# KiCad board module-environment.kicad_pcb
title: Environment Module; date: <<release-date>>; rev: <<tag>>; note: <<hash>>
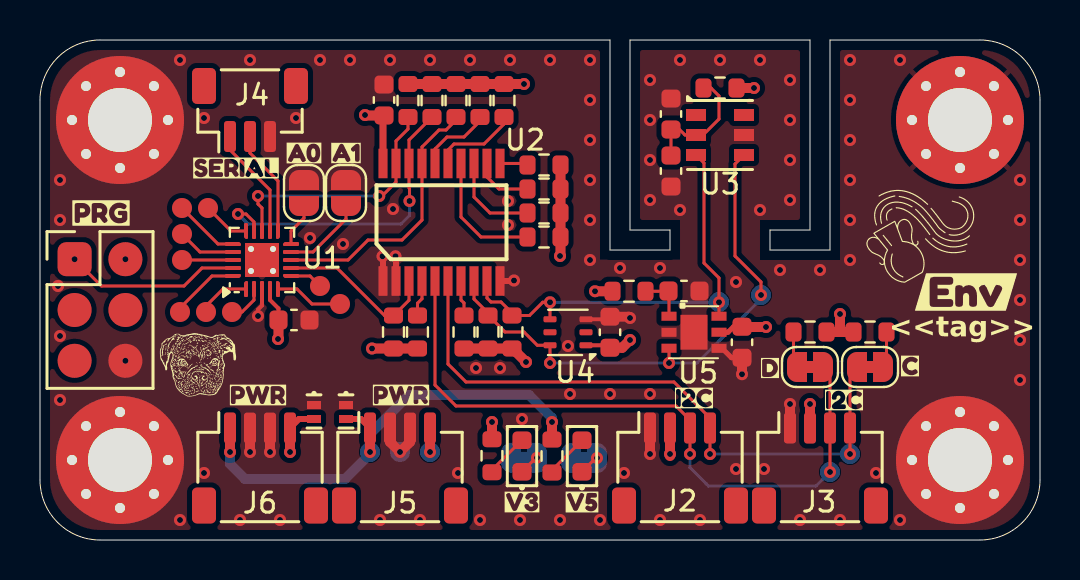
[diagram p0: board, top side]
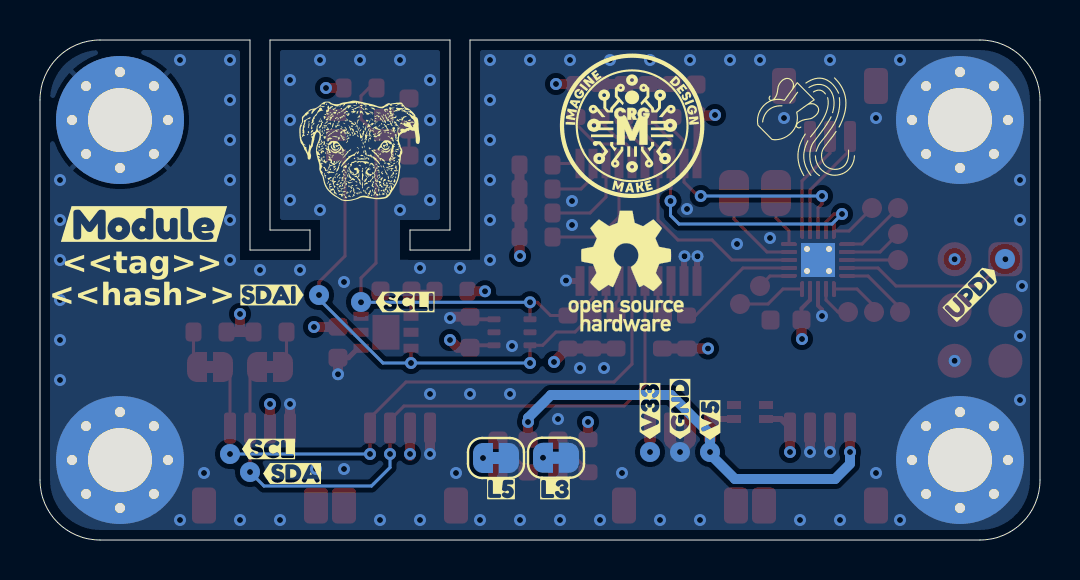
[diagram p1: board, bottom side, seen from below]

Outline 50 x 25 mm; copper layers: Top, In1.Cu (plane), In2.Cu (plane), Bottom. Coordinates in mm from the lower left corner of the outline.
Outline path: 0,22 0,3 arc(0.88,0.88) 3,0 47,0 arc(49.12,0.88) 50,3 50,22 arc(49.12,24.12) 47,25 39.5,25 39.5,14.5 36.5,14.5 36.5,15.5 38.5,15.5 38.5,25 29.5,25 29.5,15.5 31.5,15.5 31.5,14.5 28.5,14.5 28.5,25 3,25 arc(0.88,24.12) 0,22
Stack: Top 0.07mm / dielectric 0.2mm FR4 er 4.5 / In1.Cu 0.035mm / dielectric 1.075mm FR4 er 4.5 / In2.Cu 0.035mm / dielectric 0.2mm FR4 er 4.5 / Bottom 0.07mm

## Placement (name value [footprint] x y rotation side)
C1  0.1uF  [C_0603_1608Metric]  12.7 11 0 top
C2  0.1uF  [C_0603_1608Metric]  31.55 18.45 270 top
C3  0.1uF  [C_0603_1608Metric]  28.5 10.39 90 top
C4  1uF  [C_0603_1608Metric]  32.2 12.45 0 top
C5  1uF  [C_0603_1608Metric]  35.1 9.89 270 top
C6  0.1uF  [C_0603_1608Metric]  17.2 22 90 top
C7  10uF  [C_0603_1608Metric]  31.55 21.3 90 top
D1  PESD5V5C1BL  [DFN1006-2]  15.3 6.4 270 top
D2  PESD3V3S1BL  [DFN1006-2]  13.7 6.4 270 top
D3  Orange  [LED_0603_1608Metric]  27.1 4.2 90 top
D4  Orange  [LED_0603_1608Metric]  24.1 4.2 90 top
H1  ~  [MountingHole_3.2mm_M3_Pad_Via]  4 4 0 top
H2  ~  [MountingHole_3.2mm_M3_Pad_Via]  46 4 0 top
H3  ~  [MountingHole_3.2mm_M3_Pad_Via]  46 21 0 top
H4  ~  [MountingHole_3.2mm_M3_Pad_Via]  4 21 0 top
J1  AVR-UPDI-6  [PinHeader_2x03_P2.54mm_Vertical_SMD]  1.73 14.04 0 top  (not fitted)
J2  ~  [JST_SH_SM04B-SRSS-TB_1x04-1MP_P1.00mm_Horizontal]  32 3.6 0 top
J3  ~  [JST_SH_SM04B-SRSS-TB_1x04-1MP_P1.00mm_Horizontal]  39 3.6 0 top
J4  ~  [JST_SH_BM03B-SRSS-TB_1x03-1MP_P1.00mm_Vertical]  10.5 21.5 0 top  (not fitted)
J5  ~  [JST_SH_SM04B-SRSS-TB_1x04-1MP_P1.00mm_Horizontal]  18 3.6 0 top
J6  ~  [JST_SH_SM04B-SRSS-TB_1x04-1MP_P1.00mm_Horizontal]  11 3.6 0 top
JP1  ~  [SolderJumper-2_P1.3mm_Open_RoundedPad1.0x1.5mm]  13.2 17.35 270 top
JP2  ~  [SolderJumper-2_P1.3mm_Open_RoundedPad1.0x1.5mm]  15.3 17.35 270 top
JP3  ~  [SolderJumper-2_P1.3mm_Bridged_RoundedPad1.0x1.5mm]  41.5 8.65 0 top
JP4  ~  [SolderJumper-2_P1.3mm_Bridged_RoundedPad1.0x1.5mm]  38.5 8.65 180 top
JP5  ~  [SolderJumper-2_P1.3mm_Bridged_RoundedPad1.0x1.5mm]  27.2 4.1 0 bottom
JP6  ~  [SolderJumper-2_P1.3mm_Bridged_RoundedPad1.0x1.5mm]  24.2 4.11 0 bottom
kibuzzard-68C1F3DD  G***  [kibuzzard-68C1F3DD]  10.9 7.25 0 top
kibuzzard-68C1F3DD#2  G***  [kibuzzard-68C1F3DD]  18.05 7.25 0 top
kibuzzard-68F7E448  G***  [kibuzzard-68F7E448]  27.1 1.9 0 top
kibuzzard-68F7F6D5  G***  [kibuzzard-68F7F6D5]  36.5 8.6 0 top
kibuzzard-68F7F6E1  G***  [kibuzzard-68F7F6E1]  43.5 8.7 0 top
kibuzzard-68FAFCDC  G***  [kibuzzard-68FAFCDC]  40.2 7 0 top
kibuzzard-68FAFCDC#2  G***  [kibuzzard-68FAFCDC]  32.7 7.1 0 top
kibuzzard-68FAFD00  G***  [kibuzzard-68FAFD00]  24.1 1.9 0 top
kibuzzard-68FAFDB2  G***  [kibuzzard-68FAFDB2]  13.2 19.35 0 top
kibuzzard-68FAFDB8  G***  [kibuzzard-68FAFDB8]  15.3 19.35 0 top
kibuzzard-68FC4AB7  G***  [kibuzzard-68FC4AB7]  44.8 15.8 180 bottom
kibuzzard-68FC4AED  G***  [kibuzzard-68FC4AED]  9.8 18.6 0 top
kibuzzard-68FC4BF9  G***  [kibuzzard-68FC4BF9]  38.58 4.55 180 bottom
kibuzzard-68FC4C02  G***  [kibuzzard-68FC4C02]  37.4 3.32 180 bottom
kibuzzard-68FC4C30  G***  [kibuzzard-68FC4C30]  18 6.55 90 bottom
kibuzzard-68FC4C43  G***  [kibuzzard-68FC4C43]  19.5 6.45 90 bottom
kibuzzard-68FC4C50  G***  [kibuzzard-68FC4C50]  16.5 6 90 bottom
kibuzzard-68FC4C70  G***  [kibuzzard-68FC4C70]  3.4 12.38 135 bottom
kibuzzard-6902B41D  G***  [kibuzzard-6902B41D]  3.05 16.35 0 top
kibuzzard-6902BBC2  G***  [kibuzzard-6902BBC2]  38.4 12.25 180 bottom
kibuzzard-6902BBCC  G***  [kibuzzard-6902BBCC]  31.75 11.9 180 bottom
kibuzzard-6908DD8D  G***  [kibuzzard-6908DD8D]  26.95 2.55 180 bottom
kibuzzard-6908DD87  G***  [kibuzzard-6908DD87]  24.25 2.55 180 bottom
kibuzzard-69029C60  G***  [kibuzzard-69029C60]  46.3 12.4 0 top
LOGO1  ~  [Aquarius Logo 5mm]  11.7 20.7 180 bottom
LOGO2  ~  [Aquarius Logo 5mm]  43.9 15.2 75 top
LOGO3  ~  [CRGM Logo 7mm]  20.4 20.75 180 bottom
LOGO4  ~  [Roxy 6.5mm]  34 19.45 180 bottom
LOGO5  ~  [Roxy 3.5mm]  7.9 8.8 0 top
LOGO6  ~  [OSHW-Logo_5.7x6mm_SilkScreen]  20.7 13.45 180 bottom
R1  4.7K  [R_0603_1608Metric]  21.2 10.4 270 top
R2  4.7K  [R_0603_1608Metric]  41.5 10.4 180 top
R3  4.7K  [R_0603_1608Metric]  38.5 10.4 0 top
R4  4.7K  [R_0603_1608Metric]  18.88 10.4 270 top
R5  4.7K  [R_0603_1608Metric]  17.67 10.4 270 top
R6  4.7K  [R_0603_1608Metric]  25.2 18.75 0 top
R7  4.7K  [R_0603_1608Metric]  25.2 17.55 0 top
R8  4.7K  [R_0603_1608Metric]  25.2 16.35 0 top
R9  4.7K  [R_0603_1608Metric]  25.2 15.15 0 top
R10  4.7K  [R_0603_1608Metric]  23.2 21.97 90 top
R11  4.7K  [R_0603_1608Metric]  22 21.97 90 top
R12  4.7K  [R_0603_1608Metric]  20.8 21.97 90 top
R13  4.7K  [R_0603_1608Metric]  19.6 21.97 90 top
R14  4.7K  [R_0603_1608Metric]  18.4 21.97 90 top
R15  4.7K  [R_0603_1608Metric]  25.6 4.2 270 top
R16  1K  [R_0603_1608Metric]  22.6 4.21 270 top
R17  4.7K  [R_0603_1608Metric]  22.4 10.4 270 top
R18  4.7K  [R_0603_1608Metric]  23.6 10.4 270 top
R19  220  [R_0603_1608Metric]  34 22.6 180 top
R21  4R7  [R_0603_1608Metric]  29.45 12.44 0 top
TP1  ~  [TestPoint_Pad_D1.0mm]  8.4 16.6 180 top
TP2  ~  [TestPoint_Pad_D1.0mm]  7.1 16.6 0 top
TP3  ~  [TestPoint_Pad_D1.0mm]  7.1 15.3 0 top
TP4  ~  [TestPoint_Pad_D1.0mm]  7.1 14 0 top
TP5  ~  [TestPoint_Pad_D1.0mm]  7 11.4 0 top
TP6  ~  [TestPoint_Pad_D1.0mm]  8.3 11.4 0 top
TP7  ~  [TestPoint_Pad_D1.0mm]  9.6 11.4 0 top
TP8  ~  [TestPoint_Pad_D1.0mm]  15 11.8 180 top
TP9  ~  [TestPoint_Pad_D1.0mm]  14 12.7 180 top
TP10  ~  [TestPoint_Pad_D1.0mm]  36.05 12.25 180 bottom
TP11  ~  [TestPoint_Pad_D1.0mm]  33.95 11.9 180 bottom
TP12  ~  [TestPoint_Pad_D1.0mm]  1.75 14.05 0 bottom
TP13  ~  [TestPoint_Pad_D1.0mm]  40.5 4.3 0 bottom
TP14  ~  [TestPoint_Pad_D1.0mm]  39.5 3.4 0 bottom
TP15  ~  [TestPoint_Pad_D1.0mm]  16.5 4.4 0 bottom
TP16  ~  [TestPoint_Pad_D1.0mm]  19.5 4.4 0 bottom
TP17  ~  [TestPoint_Pad_D1.0mm]  18 4.4 180 bottom
U1  ATtiny1616-MNR  [VQFN-20-1EP_3x3mm_P0.4mm_EP1.7x1.7mm_ThermalVias]  11.1 14 90 top
U2  PCA9545APW  [SOP65P640X110-20N]  20.08 15.89 90 top
U3  AHT20-F  [AHT20]  34 20.25 0 top
U4  -  [LTR-303ALS-01]  26.4 10.39 180 top
U5  SGP40-D-R4  [SON80P244X244X95-7N]  32.7 10.39 0 top

## Library data of the parts
C1 C6 = -: Description: Unpolarized capacitor; MN: Samsung; MPN: CL10B104KO8NNNC; LCSC: C66501; Digikey: 1276-1005-2-ND; Mouser: 187-CL10B104KO8NNNC; Tolerance: 10%; Vr: 16V; ki_fp_filters: C_*
C2 C3 = -: Description: CAP CER 100nF 16V X5R 0603; MN: Samsung; MPN: CL10B104KO8NNNC; Digikey: 1276-1005-2-ND; Mouser: 187-CL10B104KO8NNNC; LCSC: C66501; Tolerance: 10%; ki_fp_filters: C_*
C4 C5 = -: Description: CAP CER 1uF 16V X5R 0603; WVDC: 16V; Tolerance: 10%; Dielectric: X5R; MN: HRE; MPN: CGA0603X5R105K160JT; Mouser: 187-CL10B105KO8NNNC; Digikey: 1276-1019-2-ND; LCSC: C6119849; ki_fp_filters: C_*
C7 = -: Description: 10V 10uF X5R ±10% 0603 MLCC; WVDC: 10V; Tolerance: 10%; Dielectric: X5R; MN: HRE; MPN: CGA0603X5R106K100JT; Mouser: 187-CL10A106KP8NNNC; Digikey: 1276-1192-2-ND; LCSC: C6119842; ki_fp_filters: C_*
D1 = -: Datasheet: https://assets.nexperia.com/documents/data-sheet/PESD5V5C1BL.pdf; Description: TVS DIODE Vrwm=5.5v Vcl=5.4v Ippm=6.5A DFN10062; LCSC: C2827636; Mouser: 771-PESD5V5C1BLYL; Digikey: 1727-PESD5V5C1BLYLTR-ND; MN: TECH PUBLIC; MPN: TPSP3022-01ETG
D2 = -: Datasheet: https://www.nexperia.com/product/PESD3V3S1BL; Description: PESD3V3S1BL - Low capacitance bidirectional ESD protection diode / Vrwm=3.3v / Source: https://assets.nexperia.com/documents/data-sheet/PESD3V3S1BL.pdf  Datasheet / JLCPCB - C552521  Alternate https://jlcpcb.com/partdetail/DiodesIncorporated-DESD3V3S1BL7B/C500765 DESD3V3S1BL / JLCPCB - C500765 / https://jlcpcb.com/partdetail/Fuxinsemi-LESD8D33CAT5G/C5563754 LESD8D3.3CAT5G / JLCPCB - C5563754; LCSC: C5563754; Digikey: 1727-PESD3V3S1BLYLTR-ND; Mouser: 621-DESD3V3S1BL-7B; MN: FUXINSEMI; MPN: LESD8D3.3CAT5G
D3 D4 = -: Datasheet: https://optoelectronics.liteon.com/upload/download/DS22-2000-228/LTST-C191KGKT.PDF; Description: 20mA 315mcd Colorless Orange 120° 50mW 2.3V 0603; MN: XINGLIGHT; MPN: XL-1608UOC-06; Mouser: 859-LTST-C190KFKT; Digikey: 5962-XL-1608UOC-06TR-ND; LCSC: C965800; ki_fp_filters: LED* LED_SMD:* LED_THT:*
H1-H4 = -: Description: Mounting Hole with connection; ki_fp_filters: MountingHole*Pad*
J1 = -: Datasheet: https://www.microchip.com/webdoc/GUID-9D10622A-5C16-4405-B092-1BDD437B4976/index.html?GUID-9B349315-2842-4189-B88C-49F4E1055D7F; Description: Atmel 6-pin UPDI connector; ki_fp_filters: IDC?Header*2x03* Pin?Header*2x03*
J2 = -: Datasheet: https://www.jst-mfg.com/product/pdf/eng/eSH.pdf; Description: 4 Position, 1mm pitch; MN: JST; MPN: SM04B-SRSS-TBT(LF)(SN); LCSC: C2763614; Mouser: 306-BM04BSRSSTBTLFSN; Digikey: 455-BM04B-SRSS-TBTR-ND
J3 J6 = -: Datasheet: https://www.jst-mfg.com/product/pdf/eng/eSH.pdf; Description: 4 Position, 1mm pitch; MN: JST; MPN: SM04B-SRSS-TBT(LF)(SN); LCSC: C2763614; Mouser: 306-SM04BSRSSTBTLFSN; Digikey: 455-SM04B-SRSS-TBTR-ND
J4 = -: Datasheet: https://www.jst-mfg.com/product/pdf/eng/eSH.pdf; Description: JST SH 1.0mm 3 Position; MN: JST; MPN: BM04B-SRSS-TB; Digikey: 455-BM04B-SRSS-TBTR-ND; Mouser: 306-BM04BSRSSTBTLFSN; LCSC: C2919601
J5 = -: Datasheet: https://www.jst-mfg.com/product/pdf/eng/eSH.pdf; Description: 4 Position, 1mm pitch; MN: JST; MPN: SM04B-SRSS-TBT(LF)(SN); Mouser: 306-SM04BSRSSTBTLFSN; Digikey: 455-SM04B-SRSS-TBTR-ND; LCSC: C2763614
JP1 JP2 = -: Description: Solder Jumper, 2-pole, open; ki_fp_filters: SolderJumper*Open*
JP3-JP6 = -: Description: Solder Jumper, 2-pole, closed/bridged; ki_fp_filters: SolderJumper*Bridged*
LOGO6 = -: Description: Open Hardware logo, small
R1-R11 = -: Description: Resistor, US symbol; MPN: FRC0603J472 TS; MN: FOJAN; Digikey: 541-3993-2-ND; Mouser: 71-CRCW06034K70JNEAC; LCSC: C2907166; Tolerance: 5%; ki_fp_filters: R_*
R12 R13 R17 R18 = -: Description: Resistor, US symbol; MN: FOJAN; MPN: FRC0603J472 TS; Mouser: 71-CRCW06034K70JNEAC; Digikey: 541-3993-2-ND; LCSC: C2907166; Tolerance: 5%; ki_fp_filters: R_*
R14 = -: Description: Resistor, US symbol; MPN: FRC0603J472 TS; LCSC: C2907166; MN: FOJAN; Digikey: 541-3993-2-ND; Mouser: 71-CRCW06034K70JNEAC; Tolerance: 5%; ki_fp_filters: R_*
R15 = -: Datasheet: https://www.vishay.com/docs/28773/crcwce3.pdf; Description: Thick Film Resistors - SMD 1/10Watt 4.7Kohms 5% Commercial Use; MN: FOJAN; MPN: FRC0603J472 TS; Mouser: 71-CRCW06034K70JNEAC; Digikey: 541-3993-2-ND; LCSC: C2907166; Tolerance: 5%; ki_fp_filters: R_*
R16 = -: Datasheet: https://www.vishay.com/docs/28773/crcwce3.pdf; Description: Thick Film Resistors - SMD 1/10watt 1.0Kohms 1%; MN: FOJAN; MPN: FRC0603J102 TS; Mouser: 71-CRCW06031K00JNEAC; Digikey: 541-3991-2-ND; LCSC: C2907113; Tolerance: 5%; ki_fp_filters: R_*
R19 = -: Datasheet: https://bourns.com/docs/product-datasheets/cr.pdf?sfvrsn=574d41f6_14; Description: Thick Film Resistors - SMD 1/10Watt 4.7ohms 5%; MN: FOJAN; MPN: FRC0603J221 TS; Mouser: 652-CR0603JW-221ELF; Digikey: 118-CR0603-JW-221ELFTR-ND; LCSC: C2907127; Tolerance: 5%; ki_fp_filters: R_*
R21 = -: Datasheet: https://bourns.com/docs/product-datasheets/cr.pdf?sfvrsn=574d41f6_14; Description: Thick Film Resistors - SMD 1/10Watt 4.7ohms 5%; MN: FOJAN; MPN: FRC0603J4R7 TS; Mouser: 652-CR0603JW-4R7ELF; Digikey: CR0603-J/-4R7ELFTR-ND; LCSC: C2907168; Tolerance: 5%; ki_fp_filters: R_*
TP1-TP17 = -: Description: Test Point D1.0mm; ki_fp_filters: Pin* Test*
U1 = -: Datasheet: http://ww1.microchip.com/downloads/en/DeviceDoc/ATtiny3216_ATtiny1616-data-sheet-40001997B.pdf; Description: 20MHz, 16kB Flash, 2kB SRAM, 256B EEPROM, VQFN-20; MN: Microchip Tech; MPN: ATTINY1616-MNR; Mouser: 556-ATTINY1616MNR; Digikey: ATTINY1616-MNRTR-ND; LCSC: C507118; ki_fp_filters: VQFN*1EP*3x3mm*P0.4mm*
U2 = -: Datasheet: http://www.nxp.com/docs/en/data-sheet/PCA9545A_45B_45C.pdf; Description: 4-channel I2C-bus switch with interrupt logic and reset; MN: NXP; MPN: PCA9545APW,118; Digikey: 568-1865-2-ND; Mouser: 771-PCA9545APW-T; LCSC: C129515
U3 = -: Datasheet: https://asairsensors.com/wp-content/uploads/2021/09/Data-Sheet-AHT20-Humidity-and-Temperature-Sensor-ASAIR-V1.0.03.pdf; Description: Temperature and Humidity sensor ±2%RH -40C~+85C 0%RH~100%RH I2C SMD-6P,3x3mm; MN: Aosong; LCSC: C3012622; ki_fp_filters: SENSOR_AHT20_GAE SENSOR_AHT20_GAE-M SENSOR_AHT20_GAE-L
U4 = -: Datasheet: https://optoelectronics.liteon.com/upload/download/DS86-2013-0004/LTR-303ALS-01_DS_V1.pdf; Description: ambient light sensor, i2c interface, 0.01 to 64k lux, 2.4-3.6V; MN: LiteOn; Digikey: 160-2161-2-ND; Mouser: 859-LTR-303ALS-01; LCSC: C364577
U5 = -: Datasheet: https://www.mouser.com/datasheet/2/682/Sensirion_Gas_Sensors_Datasheet_SGP40-3398556.pdf; Description: Air Quality Sensors Gas Sensor; MN: Sensirion; Digikey: 1649-SGP40-D-R4TR-ND; Mouser: 403-SGP40-D-R4; LCSC: C2874215

## Footprints (pads in the part's own frame, mm; a bottom-side part is the same pattern mirrored in y, then rotated)
AHT20
  rect 1x0.6 smd: 1(-1.2,1) 2(-1.2,0) 3(-1.2,-1) 4(1.2,-1) 5(1.2,0) 6(1.2,1)
C_0603_1608Metric
  rrect 0.9x0.95 smd: 1(-0.775,0) 2(0.775,0)
DFN1006-2
  rect 0.4x0.7 smd: 1(-0.35,0) 2(0.35,0)
JST_SH_BM03B-SRSS-TB_1x03-1MP_P1.00mm_Vertical
  rrect 0.6x1.55 smd: 1(-1,-1.325) 2(0,-1.325) 3(1,-1.325)
  rrect 1.2x1.8 smd: MP(-2.3,1.2) MP(2.3,1.2)
JST_SH_SM04B-SRSS-TB_1x04-1MP_P1.00mm_Horizontal
  rrect 0.6x1.55 smd: 1(-1.5,2) 2(-0.5,2) 3(0.5,2) 4(1.5,2)
  rrect 1.2x1.8 smd: MP(-2.8,-1.875) MP(2.8,-1.875)
LED_0603_1608Metric
  rrect 0.875x0.95 smd: 1(-0.788,0) 2(0.788,0)
LTR-303ALS-01
  rrect 0.65x0.3 smd: 1(-0.9,0.65) 2(-0.9,0) 3(-0.9,-0.65) 4(0.9,-0.65) 5(0.9,0) 6(0.9,0.65)
MountingHole_3.2mm_M3_Pad_Via
  round 0.8 hole 0.5: 1(-2.4,0) 1(-1.697,1.697) 1(-1.697,-1.697) 1(0,2.4) 1(0,-2.4) 1(1.697,1.697) 1(1.697,-1.697) 1(2.4,0)
  round 6.4 hole 3.2: 1(0,0)
PinHeader_2x03_P2.54mm_Vertical_SMD
  rrect 1.7x1.7 smd: 1(0,0)
  round 1.7 smd: 2(2.54,0) 3(0,-2.54) 4(2.54,-2.54) 5(0,-5.08) 6(2.54,-5.08)
R_0603_1608Metric
  rrect 0.8x0.95 smd: 1(-0.825,0) 2(0.825,0)
SolderJumper-2_P1.3mm_Bridged_RoundedPad1.0x1.5mm
  custom 1x1.5 smd: 1(-0.65,0) 2(0.65,0)
SolderJumper-2_P1.3mm_Open_RoundedPad1.0x1.5mm
  custom 1x1.5 smd: 1(-0.65,0) 2(0.65,0)
SON80P244X244X95-7N
  rect 0.75x0.45 smd: 1(-1.25,0.8) 2(-1.25,0) 3(-1.25,-0.8) 4(1.25,-0.8) 5(1.25,0) 6(1.25,0.8)
  rect 1.35x1.74 smd: 7(0,0)
SOP65P640X110-20N
  rect 1.475x0.45 smd: 1(-2.938,2.925) 2(-2.938,2.275) 3(-2.938,1.625) 4(-2.938,0.975) 5(-2.938,0.325) 6(-2.938,-0.325) 7(-2.938,-0.975) 8(-2.938,-1.625) 9(-2.938,-2.275) 10(-2.938,-2.925) 11(2.938,-2.925) 12(2.938,-2.275) 13(2.938,-1.625) 14(2.938,-0.975) 15(2.938,-0.325) 16(2.938,0.325) 17(2.938,0.975) 18(2.938,1.625) 19(2.938,2.275) 20(2.938,2.925)
TestPoint_Pad_D1.0mm
  round 1 smd: 1(0,0)
VQFN-20-1EP_3x3mm_P0.4mm_EP1.7x1.7mm_ThermalVias
  rrect 0.74x0.74 smd: (-0.425,0.425) (-0.425,-0.425) (0.425,0.425) (0.425,-0.425)
  custom 0.8x0.2 smd: 1(-1.45,0.8) 5(-1.45,-0.8) 11(1.45,-0.8) 15(1.45,0.8)
  rrect 0.8x0.2 smd: 2(-1.45,0.4) 3(-1.45,0) 4(-1.45,-0.4) 12(1.45,-0.4) 13(1.45,0) 14(1.45,0.4)
  custom 0.2x0.8 smd: 6(-0.8,-1.45) 10(0.8,-1.45) 16(0.8,1.45) 20(-0.8,1.45)
  rrect 0.2x0.8 smd: 7(-0.4,-1.45) 8(0,-1.45) 9(0.4,-1.45) 17(0.4,1.45) 18(0,1.45) 19(-0.4,1.45)
  round 0.6 hole 0.3: 21(-0.55,0.55) 21(-0.55,-0.55) 21(0.55,0.55) 21(0.55,-0.55)
  rect 1.7x1.7 smd: 21(0,0)
  rect 1.7x1.7 smd far side: 21(0,0)

## Nets
+3.3V: C1.1 C3.1 C5.1 C6.1 D2.2 J1.2 J2.2 J3.2 J5.4 J6.4 R1.2 R2.2 R3.2 R4.2 R5.2 R6.2 R7.2 R8.2 R9.2 R10.2 R11.2 R12.2 R13.2 R14.2 R16.1 R17.2 R18.2 R19.1 R21.1 TP16.1 U1.4 U2.20 U4.1 U5.5
+5V: D1.2 J5.1 J6.1 R15.1 TP15.1
/Power/V3.3LED: D4.2 R16.2
/Power/V5LED: D3.2 R15.2
GND: C1.2 C2.2 C3.2 C4.2 C5.2 C6.2 C7.2 D1.1 D2.1 H1.1 H2.1 H3.1 H4.1 J1.6 J2.1 J3.1 J4.3 J5.2 J5.3 J6.2 J6.3 JP1.1 JP2.1 JP5.1 JP6.1 TP17.1 U1.3 U1.21 U2.1 U2.2 U2.10 U3.5 U4.3 U5.2 U5.4 U5.7
/MCU/A0: JP1.2 U1.10
/MCU/A1: JP2.2 U1.9
/MCU/PA1: TP5.1 U1.20
/MCU/PA2: TP6.1 U1.1
/MCU/PA3: TP7.1 U1.2
/MCU/PA4: TP8.1 U1.5
/MCU/PA5: TP9.1 U1.6
/MCU/PC0: TP1.1 U1.15
/MCU/PC1: TP2.1 U1.16
/MCU/PC2: TP3.1 U1.17
/MCU/PC3: TP4.1 U1.18
/MCU/UPDI: J1.1 TP12.1 U1.19
/Peripherals/INT_SCL: R18.1 TP11.1 U2.9 U3.3 U4.4 U5.6
/Peripherals/INT_SDA: R17.1 TP10.1 U2.8 U3.4 U4.6 U5.3
EXT_SCL: J2.4 J3.4 JP3.1 TP13.1 U2.6
EXT_SDA: J2.3 J3.3 JP4.1 TP14.1 U2.5
I2C_INT: R12.1 U1.8 U2.17
I2C_RESET: R5.1 U1.7 U2.3
MCU_SCL: R13.1 U1.14 U2.18
MCU_SDA: R14.1 U1.13 U2.19
RXD: J4.2 U1.11
TXD: J4.1 U1.12
Net-(D3-K): D3.1 JP5.2
Net-(D4-K): D4.1 JP6.2
Net-(JP3-B): JP3.2 R2.1
Net-(JP4-B): JP4.2 R3.1
Net-(U2-SC2): R8.1 U2.13
Net-(U2-SC3): R11.1 U2.16
Net-(U2-SD2): R7.1 U2.12
Net-(U2-SD3): R10.1 U2.15
Net-(U2-~{INT0}): R4.1 U2.4
Net-(U2-~{INT1}): R1.1 U2.7
Net-(U2-~{INT2}): R6.1 U2.11
Net-(U2-~{INT3}): R9.1 U2.14
Net-(U3-VDD): C2.1 C7.1 R19.2 U3.2
Net-(U5-VDD): C4.1 R21.2 U5.1

Pads without a net: J1 3 4 5; J2 MP; J3 MP; J4 MP; J5 MP; J6 MP; U3 1 6; U4 2 5

## Via types
v1: diameter 0.6, hole 0.3, Top to Bottom, 133 vias

## Routing (per net, layer and track width the routed paths; a pad name or vN(x,y) marks a point on that pad's centre or on a via; arc(x,y) is an arc through that point)
+3.3V: length 38.1
  Top w0.2: 11.92,10.07 11.95,10.05 ; U4.1 28.38,9.74 C3.1 ; 11.92,11 11.92,11.57 11.5,12 U1.4
  Top w0.25: C5.1 34.67,10.66 34.4,10.39 U5.5
  Top w0.3: D2.2 12.95,6.05 J6.4
  Top w0.35: U2.20 17.15,21.18
  Top w0.5: J3.2 v1(38.5,6.8) ; v1(24.2,22.8) R10.2 R11.2 R12.2 R13.2 R14.2 ; 28.63,12.44 v1(27.75,12.44) ; v1(16.6,9.57) R5.2 R4.2 ; R6.2 R7.2 R8.2 R9.2 26.03,14.22 v1(26,14.2) ; R16.1 v1(22.6,5.9) ; v1(29.5,10) 29.11,9.61 C3.1 ; C6.1 16.28,21.22 v1(16.25,21.25) ; J5.4 v1(19.5,4.4) ; J6.4 v1(12.5,4.4) ; R1.2 R17.2 R18.2 23.62,9.57 v1(24.3,8.9) ; v1(36.3,10.65) 35.11,10.65 C5.1 ; R19.1 v1(35.7,22.6) ; 39.28,10.4 40,10.4 ; 40,10.4 v1(40,11.3) ; 40,10.4 R2.2 ; 31.5,5.5 31.5,4.2 ; 11.92,11 11.92,10.07
  vias: v1(4.27,14.04) v1(11.9,10.05) v1(31.5,4.3)
+5V: length 24.4
  Top w0.3: J5.1 16.05,6.05 D1.2
  Top w0.5: R15.1 v1(25.6,5.9) ; 9.5,5.5 v1(9.5,4.4) ; J5.1 v1(16.5,4.4)
  Bottom w0.5: 9.5,3.9 v1(9.5,4.4) ; 9.5,3.8 10.25,3.05 15.25,3.05 16.5,4.3 ; v1(16.5,4.4) 16.5,5.3 18.45,7.25 24.45,7.25 25.6,6.1 v1(25.6,5.9)
/Power/V3.3LED: length 2.2
  Top w0.152: 24.1,5 22.6,3.5 R16.2
/Power/V5LED: length 2.2
  Top w0.152: R15.2 25.6,3.49 D3.2
GND: length 16.9
  Top w0.2: U4.3 28.38,11.04 C3.2 ; U1.3 11.1,11.72 10.9,11.52 v1(10.9,11.2)
  Top w0.25: C5.2 34.58,9.11 34.1,9.59 U5.4
  Top w0.3: U2.2 17.8,14.16 v1(17.78,14.19) ; v1(17.12,14.19) 17.15,14.16 U2.1 ; U2.10 23.67,12.95
  Top w0.5: J2.1 v1(30.5,4.3) ; J5.2 17.5,4.9 v1(18,4.4) 18.5,4.9 J5.3 ; C3.2 29.44,11.16 v1(29.5,11.1) ; v1(35.1,8.29) C5.2 35.13,9.11 35.15,9.09 ; J3.1 v1(37.5,6.8) ; J6.3 v1(11.5,4.4) ; J6.2 v1(10.5,4.4) ; 23.67,12.95 v1(23.7,12.97)
  vias: v1(0.9,12.7) v1(1,18) v1(1,16) v1(1,10.2) v1(1,7) v1(4.27,8.96) v1(7,24) v1(7,1) v1(8.2,21.1) v1(8.2,3.35) v1(10,1) v1(10.5,24) v1(12,1) v1(12.8,21.1) v1(13.5,15.1) v1(14,24) v1(15.15,14.8) v1(15.5,24) v1(17,1) v1(17.5,24) v1(17.65,16.55) v1(19,1) v1(19.5,24) v1(20.9,3.35) v1(21.5,24) v1(21.8,8.6) v1(22,1) v1(23,8.6) v1(23.4,16.95) v1(23.4,15.75) v1(23.5,24) v1(24,1) v1(24.1,6.05) v1(25.5,24) v1(26,1) v1(26.4,9.7) v1(26.5,7.3) v1(27.5,24) v1(27.5,22) v1(27.5,20) v1(27.5,18) v1(27.5,16) v1(27.5,14) v1(28,1) v1(28.5,7.3) v1(29,13.6) v1(29.2,3.35) v1(30.5,23) v1(30.5,21) v1(30.5,19) v1(30.5,17) v1(30.5,7.3) v1(31,13.6) v1(31,1) v1(32,24) v1(32,16.5) v1(33,1) v1(34,24) v1(34.8,12.9) v1(34.8,3.55) v1(36,24) v1(36,16.5) v1(36.2,3.55) v1(37,13.5) v1(37.5,23) v1(37.5,21) v1(37.5,19) v1(37.5,17) v1(38,1) v1(39,13.5) v1(40,1) v1(40.5,24) v1(40.5,22) v1(40.5,20) v1(40.5,18) v1(40.5,16) v1(40.5,14) v1(41.8,3.35) v1(43,24) v1(43,1) v1(49,18) v1(49,16) v1(49,14) v1(49,12) v1(49,10) v1(49,8)
/MCU/A0: length 2.2
  Top w0.152: U1.10 12.55,15.45 13.2,16.1 JP1.2
/MCU/A1: length 4.2
  Top w0.152: U1.9 13.65,14.4 15.3,16.05 JP2.2 ; 15.5,16.5 15.35,16.5
/MCU/PA1: length 3.5
  Top w0.152: TP5.1 7,11.6 8.6,13.2 U1.20
/MCU/PA2: length 2.7
  Top w0.152: TP6.1 8.3,11.7 9.15,12.55 U1.1
/MCU/PA3: length 1.9
  Top w0.152: U1.2 10.7,12 10.1,11.4 TP7.1
/MCU/PA4: length 3.4
  Top w0.152: U1.5 12.85,12.55 13.6,11.8 TP8.1
/MCU/PA5: length 1.7
  Top w0.152: U1.6 13.5,13.2 TP9.1
/MCU/PC0: length 2.4
  Top w0.152: TP1.1 9.55,15.45 U1.15
/MCU/PC1: length 3.3
  Top w0.152: TP2.1 8.9,14.8 U1.16
/MCU/PC2: length 2.9
  Top w0.152: TP3.1 8,14.4 U1.17
/MCU/PC3: length 2.5
  Top w0.152: U1.18 TP4.1
/MCU/UPDI: length 8.8
  Top w0.152: U1.19 8.1,13.6 7.2,12.7 3.07,12.7 v1(1.73,14.04)
/Peripherals/INT_SCL: length 22.6
  Top w0.152: U2.9 22.35,12.1 22.55,11.9 23.05,11.9 23.6,11.35 R18.1 24.47,11.22 25.14,11.89 v1(25.5,11.89) ; 25.5,11.94 U4.4 ; U5.6 v1(33.95,11.89) 33.95,13.1 33.2,13.85 33.2,18.85 U3.3
  Bottom w0.152: v1(33.95,11.89) v1(25.5,11.89)
/Peripherals/INT_SDA: length 27.5
  Top w0.152: U2.8 21.7,12.05 22.4,11.35 R17.1 ; R17.1 22.42,11.22 23.25,10.4 24.2,10.4 24.86,9.74 U4.6 v1(25.5,8.85) ; R17.1 22.4,11.15 ; U3.4 34.75,18.8 34.75,14.2 36.05,12.9 v1(36.05,12.25) ; v1(31.45,8.85) U5.3
  Bottom w0.152: v1(31.45,8.85) 31.35,8.95 ; v1(31.45,8.85) 32.85,8.85 36.05,12.05 v1(36.05,12.25) ; v1(31.45,8.85) v1(25.5,8.85) ; v1(31.45,8.85) 31.45,8.95
EXT_SCL: length 31.9
  Top w0.152: U2.6 20.4,8.8 21.3,7.9 31.7,7.9 33.5,6.1 33.5,4.2 ; 40.5,5.5 40.5,8.2 40.95,8.65 ; J3.4 v1(40.5,4.3)
  Bottom w0.152: v1(33.5,4.3) v1(40.5,4.3)
EXT_SDA: length 34.6
  Top w0.152: 32.5,4.2 32.5,6 31.8,6.7 20.8,6.7 19.75,7.75 U2.5 ; J3.3 v1(39.5,3.4) ; 39.5,5.5 39.5,8.25 39.1,8.65 38.95,8.5
  Bottom w0.152: v1(32.5,4.3) 32.5,3.62 33.42,2.7 38.8,2.7 v1(39.5,3.4)
I2C_INT: length 13.4
  Top w0.152: R12.1 20.8,21 20.3,20.5 19.95,20.5 19.1,19.65 U2.17 19.1,16 18.1,15 16.4,15 15.4,14 U1.8
I2C_RESET: length 8.2
  Top w0.152: U2.3 18.45,11.99 17.69,11.22 R5.1 17.22,11.22 14.85,13.6 U1.7
MCU_SCL: length 15.8
  Top w0.152: U1.14 10.7,15.9 10.3,16.3 v1(9.9,16.3) ; R13.1 18.45,20 U2.18 18.45,17.61 18.47,17.59 v1(18.47,16.95)
  Bottom w0.152: v1(9.9,16.3) 10.4,15.8 18.05,15.8 18.47,16.22 v1(18.47,16.95)
MCU_SDA: length 12.5
  Top w0.152: U1.13 11.1,16.6 10.9,16.8 v1(10.9,17.2) ; v1(16.96,17.2) 17.1,17.2 17.8,17.9 U2.19 17.8,19.95 18.4,20.55 R14.1
  Bottom w0.152: v1(16.96,17.2) v1(10.9,17.2)
RXD: length 5.3
  Top w0.152: J4.2 10.5,19.35 11.9,17.95 U1.11
TXD: length 5.6
  Top w0.152: U1.12 11.5,17.5 9.5,19.5 J4.1
Net-(D3-K): length 1.2
  Top w0.152: v1(27.85,4.1) 27.79,4.1 D3.1 27.1,3.55
Net-(D4-K): length 1.2
  Top w0.152: D4.1 24.8,4.11 v1(24.85,4.11) ; 24.1,3.42 24.1,3.56
Net-(JP3-B): length 1.8
  Top w0.152: R2.1 42.33,8.82 JP3.2
Net-(JP4-B): length 1.8
  Top w0.152: JP4.2 37.67,8.82 R3.1
Net-(U2-SC2): length 4.7
  Top w0.152: R8.1 22.5,16.35 21.7,17.15 U2.13
Net-(U2-SC3): length 3.8
  Top w0.152: R11.1 22,20.95 21.2,20.15 20.35,20.15 19.75,19.55 U2.16
Net-(U2-SD2): length 2.9
  Top w0.152: U2.12 22.35,18.15 22.95,17.55 R7.1
Net-(U2-SD3): length 4.4
  Top w0.152: U2.15 20.4,19.5 20.7,19.8 22.2,19.8 23.2,20.8 R10.1
Net-(U2-~{INT0}): length 1.8
  Top w0.152: R4.1 18.88,11.84 19.1,12.06 U2.4
Net-(U2-~{INT1}): length 1.8
  Top w0.152: U2.7 21.05,12 21.2,11.85 R1.1
Net-(U2-~{INT2}): length 1.5
  Top w0.152: R6.1 24.3,18.83 U2.11 23,18.95
Net-(U2-~{INT3}): length 6.4
  Top w0.152: U2.14 21.05,16.15 22.05,15.15 R9.1
Net-(U3-VDD): length 6
  Top w0.152: R19.2 33.55,22.6 33.95,22.2 33.95,21.05 33.15,20.25 ; 31.8,19.2 31.75,19.2 31.75,19.22 ; U3.2 32.25,20.25 31.97,20.53 C7.1 C2.1
Net-(U5-VDD): length 2.4
  Top w0.152: U5.1 31.45,12.42 C4.1 31.41,12.44 R21.2 ; 30.34,12.45 30.33,12.44

## Copper pours and planes (outline as drawn; the poured copper is in the pictures)
+3.3V on In1.Cu: 0.5,0.5 0.5,24.5 49.5,24.5 49.5,0.5
GND on Top, Bottom: 0.5,24.5 49.5,24.5 49.5,0.5 0.5,0.5
GND on In2.Cu: 0.5,24.5 49.5,24.5 49.5,0.5 0.5,0.5

## Text on the board
B.Silkscreen: <<tag>> | <<hash>>
User.Comments: F.Silkscreen | F.Paste | F.Mask | F.Cu | Dielectric | In1.Cu | In2.Cu | B.Cu | B.Mask | B.Paste | B.Silkscreen | Top Silk Screen | Top Solder Paste | Top Solder Mask | copper | prepreg | core | Bottom Solder Mask | Bottom Solder Paste | Bottom Silk Screen | Not specified | FR4 | 0 mm | 0.01 mm | 0.07 mm | 0.2 mm | 0.035 mm | 1.075 mm | White | #480048FF | 1 | 3.3 | 4.5 | 0 | 0.02 | Copper Layer Count: | Board overall dimensions: | Min track/spacing: | Copper Finish: | Castellated pads: | Edge card connectors: | 4 | 50.0500 mm x 25.0500 mm | 0.1270 mm / 0.1524 mm | HAL SnPb | No | Board Thickness: | Min hole diameter: | Impedance Control: | Plated Board Edge: | 1.7050 mm | 0.2500 mm | Layer Name | Type | Material | Thickness (mm) | Color | Epsilon R | Loss Tangent | BOARD CHARACTERISTICS
F.Silkscreen: <<tag>>
